# KiCad board reform2-motherboard.kicad_pcb (continued)
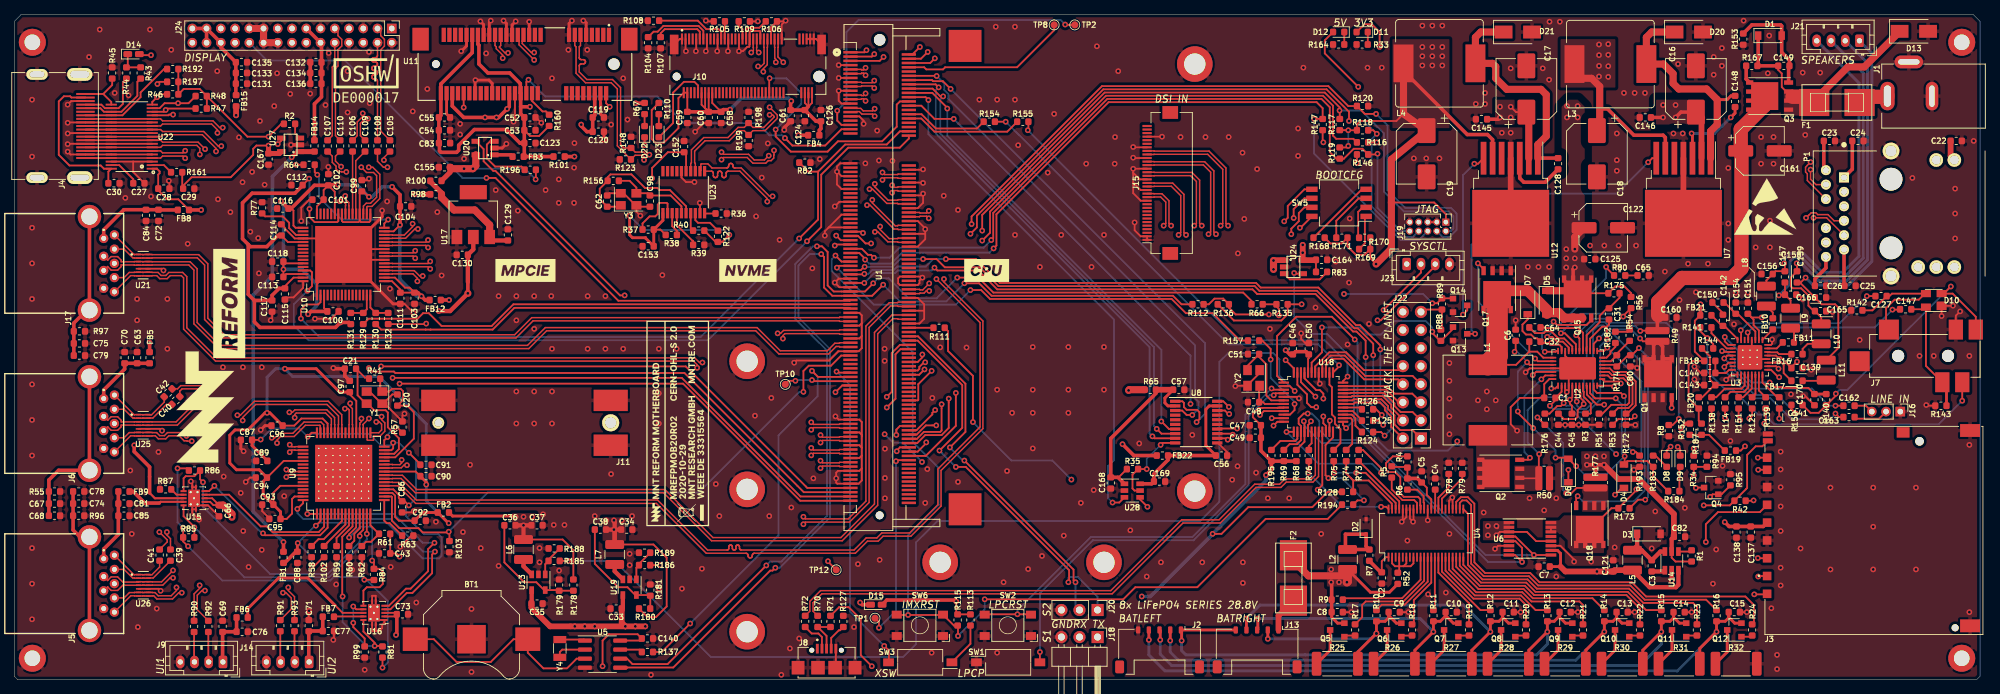
[diagram p0: board, top side]
## Routing (per net, layer and track width the routed paths; a pad name or vN(x,y) marks a point on that pad's centre or on a via; arc(x,y) is an arc through that point) (continued)
  Top w0.5: C138.1 240.76,21.54 v1(240.15,22.15) ; C56.1 v1(163.4,31.5) FB22.2 161.99,30.89 160.01,28.91 C169.1 159.69,27.53 U28.6 ; J3.4 245.56,21.54 241.75,21.54
  Power.Cu w0.25: v1(244.2,25.2) 244.35,25.05 244.35,22.15
  Power.Cu w0.5: v1(163.4,31.5) 160.7,28.8 160.7,20.6 165.45,15.85 165.45,12.45 174.45,3.45 242.2,3.45 249.7,10.95 249.7,16.8 244.35,22.15 v1(240.15,22.15)
Net-(C139-Pad1): length 36.5
  Top w0.25: U3.21 247.34,45.55 247.59,45.3 248.01,45.3 C139.1 249.51,43.91 v1(250.3,44.7) ; v1(243,32.8) 242.4,32.2 FB19.2 ; v1(245.35,50.9) 243.91,50.9 C151.1 244.2,50.61 244.2,49.83 244.95,49.08 U3.26
  Power.Cu w0.25: v1(243,32.8) 244.65,34.45 244.65,37.91 250.3,43.56 v1(250.3,44.7) 250.3,45.95 v1(245.35,50.9)
Net-(C141-Pad1): length 39.9
  Top w0.25: v1(255.75,40.2) 255.75,39.91 R140.2 253.34,37.5 252.19,37.5 C141.1 ; v1(271.9,55.25) 270.9,54.25 D10.2 272.15,54.25 275.4,51 J7.1 274.75,49.85
  Top w0.5: 275,49.6 J7.1
  Bottom w0.25: v1(255.75,40.2) 256.25,40.7 257.35,40.7 v1(271.9,55.25)
Net-(C141-Pad2): length 16.5
  Top w0.25: U3.4 240.5,45.55 v1(240.09,45.14) ; 249.51,38.5 249.51,38.04 v1(250.15,37.4)
  Bottom w0.25: v1(250.15,37.4) 247.55,40 244.4,40 241.1,43.3 241.1,44.13 v1(240.09,45.14)
Net-(C142-Pad1): length 5.2
  Top w0.25: U3.32 241.95,47.87 240.11,49.71 C142.1 239.77,49.71 FB21.2
Net-(C143-Pad1): length 14
  Top w0.25: FB20.2 236.99,39.69 238.71,41.4 239.04,41.4 ; R144.1 238.07,45.44 238.07,42.16 C143.1 242.1,41.4 242.45,41.75 U3.10
Net-(C144-Pad2): length 4.3
  Top w0.25: FB18.2 C144.2 240.32,43.1 240.77,43.55 U3.8
Net-(C147-Pad1): length 17.2
  Top w0.25: J7.3 268.4,44.1 D10.4 268.1,52.05 C147.1
  Top w0.4: J7.3 271.29,41.21 R143.1
Net-(C147-Pad2): length 23.8
  Top w0.25: v1(243.38,48.78) 243.45,48.71 U3.29 ; v1(263.7,52) 264.71,52 C147.2
  Bottom w0.25: v1(243.38,48.78) 244.09,49.5 261.2,49.5 v1(263.7,52)
Net-(C148-Pad1): length 32.2
  Top w0.4: C148.1 241.02,82.04 240.49,81.5 239.1,81.5
  Top w1: U7.1 238.16,77.06 239.1,78 239.1,81.5 237.6,83 233.7,83 232.9,83.8 232.9,85.15 231.55,86.5 L3.1 229.15,90.25 229.9,91 D20.1
Net-(C148-Pad2): length 11.7
  Top w0.4: v1(241,79) 241.6,79.6 C148.2 ; v1(235.5,76.75) 235.62,76.63 U7.3
  Bottom w0.4: v1(241,79) 238.75,76.75 v1(235.5,76.75)
Net-(C149-Pad1): length 31
  Top w0.25: Q3.3 248.79,82.63 248.16,83.27 248.16,85.18 247.66,85.67 C149.1
  Top w0.5: D1.1 244.85,86.36 R167.2 C149.1
  Top w1: F1.2 252.71,81.36 257.45,86.1 259.75,86.1 264.7,91.05 D13.1
  Top w2: 252.71,81.9 249.65,81.9
Net-(C149-Pad2): length 14.4
  Top w0.5: Q3.4 249.12,86.13 C149.2 249.24,87.06 248.15,88.15 D1.2 248.15,91.85 248,92 243.96,92 R153.2
Net-(C150-Pad1): length 7.3
  Top w0.25: U3.27 244.45,48.94 241.98,51.41 C154.1 240.11,53 C150.1
Net-(C152-Pad1): length 61.7
  Top w0.25: R37.1 90.71,63.25 R38.1 ; 94.04,74.1 C152.1 ; C152.1 91.76,74.11 89.55,71.9 v1(89.55,70.45) ; C152.1 94.32,73.84 U23.15 ; R40.1 98.47,61.51 R122.1 99.41,61.51 v1(100.4,62.5)
  Top w0.4: v1(86.4,65.2) 86.4,62.5 86.8,62.1 88.64,62.1 88.64,62.05 C153.1 R37.1 91.07,64.54 U23.1
  Top w0.5: R101.1 v1(78.65,73.5)
  Power.Cu w0.5: v1(78.65,73.5) 81,73.5 86.4,68.1 ; 86.4,68.1 v1(86.4,65.2) ; 86.4,68.1 87.2,68.1 v1(89.55,70.45)
  Bottom w0.25: v1(86.4,65.2) 88.4,63.2 99.7,63.2 v1(100.4,62.5)
Net-(C156-Pad1): length 51.3
  Top w0.25: v1(248.5,58.5) 248.6,58.4 C157.1 248.59,57.4 247.29,57.4 C156.1 246,56.11 L8.2
  Bottom w0.4: J21.4 259,83.84 259,59.5 256.75,57.25 253.85,57.25 251.2,59.9 249.33,59.9 248.5,59.07 v1(248.5,58.5)
Net-(C157-Pad2): length 55.3
  Top w0.25: C157.2 248.61,55.8 C158.1 ; C158.1 249.4,53.31 L9.2 ; C158.1 247.85,54.1 v1(247.75,54)
  Bottom w0.4: J21.3 259.6,85.24 259.6,59.25 257,56.65 253.6,56.65 250.95,59.3 249.87,59.3 249.3,58.73 249.3,55.55 v1(247.75,54)
Net-(C159-Pad1): length 55.7
  Top w0.25: v1(250.25,58.5) 250.3,58.45 C159.1 249.45,56.54 249.45,55.25 249.7,55 250.88,55 251.9,53.98 251.9,52.55 252.65,51.8 C165.1 253.7,50.91 L10.2
  Bottom w0.4: J21.2 260.2,86.64 260.2,59 257.25,56.05 253.35,56.05 250.9,58.5 v1(250.25,58.5)
Net-(C159-Pad2): length 60.2
  Top w0.25: L11.2 256.1,46.6 256.1,52.3 255.65,52.75 253.76,52.75 C166.1 250.7,55.81 C159.2 250.81,55.81 v1(251.5,56.5) ; 253.7,44.9 254.2,44.9
  Bottom w0.4: J21.1 260.8,88.04 260.8,58.75 257.5,55.45 252.55,55.45 v1(251.5,56.5)
Net-(C160-Pad1): length 120.8
  Top w0.25: R34.2 v1(235.8,32.5) ; C44.2 217.56,36.62 219.18,36.62 219.5,36.94 219.5,37.9 v1(220.35,38.75) 220.35,39.14 219.9,39.59 219.9,40.27 219.75,40.42 U2.7 ; v1(213.2,42.8) 213.65,43.25 U2.36 ; v1(228.3,49) 228.35,49.05 R49.1 ; Q3.5 245.76,82 243.86,80.09 Q3.8 ; Q3.5 245.12,81.37 Q3.7 ; Q3.5 245.76,82 243.86,83.91 Q3.5 ; Q3.5 245.12,82.63 Q3.6
  Top w0.5: Q3.5 243.16,84.4 R167.1 ; R49.1 230.7,51.1 230.8,51.2 231.1,50.9 C160.1
  Top w2: 230.8,51.2 230.8,53.1 234.15,56.45 241.15,56.45 242.5,57.8 242.5,74.2 C161.1 242.4,77.34 245.76,80.7 Q3.5
  Signal.Cu w0.25: v1(220.35,38.75) 221.35,39.75 223.4,39.75 224.55,38.6 228.8,38.6 229.8,37.6 229.8,34.25 232.7,31.35 234.65,31.35 v1(235.8,32.5)
  Bottom w0.25: v1(228.3,49) 227.6,49.7 223.84,49.7 223.27,50.28 222.07,50.28 220.77,48.98 220.77,43.37 ; 220.77,43.37 220.74,43.4 213.8,43.4 v1(213.2,42.8) ; 220.77,43.37 220.35,42.95 v1(220.35,38.75)
Net-(C162-Pad1): length 22.6
  Top w0.25: U3.3 239.9,46.05 v1(239.77,46.18) ; v1(255.7,38.5) C162.1
  Bottom w0.25: v1(255.7,38.5) 254.8,38.5 252.4,40.9 244.14,40.9 241.55,43.49 241.55,44.97 240.34,46.18 v1(239.77,46.18)
Net-(C162-Pad2): length 2.8
  Top w0.25: C162.2 259.98,38.5 J16.3
Net-(C163-Pad1): length 22
  Top w0.25: v1(255.7,37.4) 256.2,36.9 C163.1 ; U3.6 240.7,44.55 v1(240.1,43.95)
  Bottom w0.25: v1(240.1,43.95) 240.1,43.43 243.98,39.55 246.55,39.55 249.5,36.6 254.9,36.6 v1(255.7,37.4)
Net-(C163-Pad2): length 4.9
  Top w0.25: J16.2 261.8,36.67 258.61,36.67 C163.2
Net-(C168-Pad1): length 25.3
  Top w0.25: 154.96,28.44 155.05,28.44 R35.1
  Top w0.4: C57.1 161.55,39.59 161.55,38.9 161.97,38.47 U8.2
  Top w0.5: U28.1 154.96,28.44 C168.1 153.95,33.9 160.29,40.24 R65.1
  Top w0.8: R65.1 C57.1
Net-(C170-Pad1): length 21.1
  Top w0.25: v1(240.15,48.16) 240.15,47.55 240.65,47.05 U3.1 ; C170.1 251.89,41 248.45,41 248.33,41.12 247.1,41.12 v1(246.46,41.76)
  Top w0.4: 254.46,40.2 R140.1 C170.1
  Bottom w0.25: v1(240.15,48.16) 242,46.31 242,43.67 243.91,41.76 v1(246.46,41.76)
Net-(D2-Pad1): length 10.6
  Top w0.5: 189.8,18.74 R7.1 190.24,18.3 L2.2 186.9,18.6 186.9,20.45 D2.1 189.8,18.74
Net-(D8-Pad2): length 2.6
  Top w0.25: D8.2 230.43,31.49 R183.2
Net-(D9-Pad2): length 3.5
  Top w0.25: D9.2 233.79,29.8 R184.2
Net-(D11-Pad1): length 1.8
  Top w0.25: D11.1 R33.2
Net-(D12-Pad1): length 1.8
  Top w0.25: R164.2 D12.1
Net-(D14-Pad1): length 3.9
  Top w0.25: D14.1 15.94,86.22 R44.1 R43.1
Net-(D15-Pad1): length 131.1
  Top w0.25: R84.2 50.46,14.05 v1(49.15,14.05) ; R86.2 24.21,29.7 v1(22.92,29.7) ; R81.2 v1(51.7,1.7) ; v1(23.67,21.38) 23.71,21.34 R85.2 23.71,19.44 v1(24.4,18.75)
  Top w0.5: D15.1 119.05,10.55 v1(118.75,10.85) ; R85.2 23.71,19.89
  Power.Cu w0.5: v1(51.7,1.7) 53.3,3.3 95.05,3.3 98.1,6.35 98.1,8.3 100.65,10.85 v1(118.75,10.85)
  Bottom w0.25: v1(51.7,1.7) 52.45,2.45 52.45,11.05 49.45,14.05 v1(49.15,14.05) 48.75,14.45 44.87,14.45 44.37,13.95 29.2,13.95 v1(24.4,18.75) ; v1(22.92,29.7) 22.92,22.12 v1(23.67,21.38)
Net-(D22-Pad1): length 30.7
  Top w0.25: v1(88.5,75.1) D22.1 ; U11.44 v1(63.1,80.4)
  Signal.Cu w0.25: v1(63.1,80.4) 66.89,76.61 86.99,76.61 v1(88.5,75.1)
Net-(D22-Pad2): length 1.7
  Top w0.25: R67.2 D22.2
Net-(D23-Pad1): length 12.5
  Top w0.25: D23.1 92.5,78.21 92.5,82.49 94.01,84 95.5,84 96,83.5 J10.10
Net-(D23-Pad2): length 1.7
  Top w0.25: R110.2 D23.2
Net-(FB3-Pad1): length 2.7
  Top w0.5: FB3.1 69.71,73.75 U20.1
Net-(FB10-Pad1): length 2.1
  Top w0.25: FB10.1 245.45,47.76 U3.25
Net-(FB10-Pad2): length 2.1
  Top w0.25: L8.1 246.9,51.6 FB10.2
Net-(FB11-Pad1): length 2.5
  Top w0.25: FB11.1 247.45,46.55 U3.23
Net-(FB11-Pad2): length 2.2
  Top w0.25: FB11.2 249.88,48.92 L9.1
Net-(FB16-Pad1): length 3.5
  Top w0.25: U3.22 246.19,46 247.53,46 247.78,45.75 FB16.1
Net-(FB16-Pad2): length 3.6
  Top w0.25: L10.1 251.8,47.2 251.09,46.49 FB16.2
Net-(FB17-Pad1): length 5.2
  Top w0.25: FB17.1 248.43,43.09 248.43,44.25 248.05,44.63 247.35,44.63 247.28,44.55 U3.19
Net-(FB17-Pad2): length 2.7
  Top w0.25: FB17.2 253.6,42 253.7,42.1
Net-(FB19-Pad1): length 5.8
  Top w0.25: FB19.1 237.95,34.41 R187.2 R152.2
Net-(J3-Pad1): length 86.1
  Top w0.25: J3.1 244.93,14.58 v1(244.85,14.5) ; U8.13 170.94,34.58 v1(171.08,34.43)
  Signal.Cu w0.25: v1(244.85,14.5) 244.85,15.49 239.49,20.85 212.3,20.85 202.75,30.4 175.11,30.4 v1(171.08,34.43)
Net-(J3-Pad2): length 84.8
  Top w0.25: J3.2 244.82,17.08 v1(244.8,17.1) ; 168.9,35.22 168.97,35.3 v1(171.7,35.3)
  Signal.Cu w0.25: v1(244.8,17.1) 240.6,21.3 212.49,21.3 202.94,30.85 176.15,30.85 v1(171.7,35.3)
Net-(J3-Pad5): length 98.2
  Top w0.25: v1(237.5,19.35) 237.5,21.85 239.2,23.55 245.07,23.55 J3.5 ; v1(159.1,24.3) 158.07,25.33 U28.4
  Signal.Cu w0.25: v1(159.1,24.3) 160.4,23 172,23 176.6,27.6 203.5,27.6 211.75,19.35 v1(237.5,19.35)
Net-(J3-Pad7): length 87.4
  Top w0.25: U8.18 169.98,37.83 170.46,37.34 v1(170.59,37.34) ; J3.7 v1(244.85,29.5)
  Signal.Cu w0.25: v1(244.85,29.5) 244.85,28.93 237.67,21.75 212.68,21.75 203.13,31.3 176.78,31.3 170.74,37.34 v1(170.59,37.34)
Net-(J3-Pad8): length 88.6
  Top w0.25: v1(170.54,38.34) 169.75,39.12 U8.20 ; J3.8 v1(244.8,31.2)
  Signal.Cu w0.25: v1(244.8,31.2) 244,30.4 244,29.2 237,22.2 212.86,22.2 203.31,31.75 177.32,31.75 170.74,38.34 v1(170.54,38.34)
Net-(J3-Pad9): length 88.3
  Top w0.25: v1(244.3,12) 246.02,12 J3.9 ; v1(170.37,33.73) 170.18,33.92 U8.12
  Signal.Cu w0.25: v1(244.3,12) 243.9,12.4 243.9,15.8 239.3,20.4 212.12,20.4 202.57,29.95 174.15,29.95 v1(170.37,33.73)
Net-(J4-Pad13): length 14.5
  Top w0.25: R192.2 21.02,85.8 17.74,82.51 17.74,81.85 15.19,79.3 U22.23 J4.13
Net-(J4-Pad15): length 11
  Top w0.25: J4.15 12.09,80.3 12.59,79.8 U22.22 15.05,79.8 17.29,82.04 17.29,84 R43.2
Net-(J4-Pad16): length 9.5
  Top w0.25: R44.2 15.25,83.96 15.25,80.9 14.65,80.3 U22.21 12.73,80.3 12.23,80.8 J4.16
Net-(J4-Pad19): length 7.1
  Top w0.25: R45.1 13.75,83.55 12.5,82.3 ; 12.5,82.3 J4.19 ; 12.5,82.3 13.62,81.18 U22.20
Net-(J7-Pad6): length 51.2
  Top w0.25: R141.1 236.71,48.99 v1(237.7,48) 238.54,47.16 R144.2 ; v1(273.5,39.2) J7.6
  Bottom w0.25: v1(273.5,39.2) 270.2,35.9 247.07,35.9 245.72,37.25 244.83,37.25 241.33,40.75 240.25,40.75 237.7,43.3 v1(237.7,48)
Net-(J8-Pad2): length 4.8
  Top w0.25: R72.1 111.96,6.5 112.9,6.5 113.4,6 113.4,4.18
Net-(J8-Pad3): length 5.6
  Top w0.25: R71.2 R70.1 114.05,6.16 114.05,4.18
Net-(J8-Pad4): length 4
  Top w0.25: R127.2 115.94,6.95 115.78,6.95 114.7,5.87 114.7,4.18
Net-(J9-Pad2): length 4.2
  Top w0.25: R92.2 27.25,2.55 J9.2
Net-(J9-Pad3): length 4.2
  Top w0.25: J9.3 25.25,2.55 R90.2
Net-(J10-Pad11): length 7.4
  Top w0.25: J10.11 96.25,91.05 95.9,91.4 91.32,91.4 90.75,90.83 R107.1
Net-(J10-Pad13): length 9.8
  Top w0.25: J10.13 96.75,91.19 96.09,91.85 91.14,91.85 90.34,91.05 89.76,91.05 R104.1
Net-(J10-Pad23): length 10.4
  Top w0.25: R108.1 95.97,92.6 97.17,91.4 98.89,91.4 99.23,91.06 99.24,91.06 99.25,91.05 J10.23
Net-(J10-Pad25): length 2.5
  Top w0.25: J10.25 99.75,92.46 R105.1
Net-(J10-Pad35): length 2.7
  Top w0.25: J10.35 102.25,91.39 101.71,91.92 R109.1
Net-(J10-Pad37): length 4.6
  Top w0.25: R106.1 104.61,91.6 103,91.6 102.73,91.33 102.73,90.05 J10.37
Net-(J14-Pad2): length 4.3
  Top w0.25: R93.2 39.35,2.55 J14.2
Net-(J14-Pad3): length 4.3
  Top w0.25: J14.3 37.35,2.55 R91.2
Net-(L6-Pad1): length 2.6
  Top w0.6: U13.3 71.5,15.95 L6.1
Net-(L7-Pad1): length 2.6
  Top w0.6: U19.3 84.3,15.25 L7.1
Net-(P1-Pad13): length 81.7
  Top w0.25: R116.1 v1(191.3,75.5)
  Signal.Cu w0.25: P1.13 266.42,76.45 262.57,76.45 261.63,75.5 v1(191.3,75.5) 191.4,75.4
Net-(P1-Pad15): length 90.7
  Top w0.25: R146.1 188.51,72.61 v1(188.5,72.6)
  Signal.Cu w0.25: P1.15 267.31,62.99 255.65,74.65 194.25,74.65 192.2,72.6 v1(188.5,72.6)
Net-(P1-Pad17): length 106.2
  Top w0.25: R147.1 183.7,75.6 v1(183.8,75.5)
  Signal.Cu w0.25: 192.17,71.87 185.53,71.87 183.8,73.6 v1(183.8,75.5) ; P1.17 270.63,56.22 266.43,56.22 265.75,56.9 265.75,63.91 255.46,74.2 194.5,74.2 192.2,71.9
Net-(Q1-Pad4): length 22.3
  Top w0.25: U2.1 216.36,40.93 v1(215.8,40.93)
  Top w0.5: v1(232.7,38.2) 232.7,38.2 Q1.4
  Signal.Cu w0.25: v1(232.7,38.2) 227.9,43 225.23,43 223.75,41.53 216.4,41.53 v1(215.8,40.93)
Net-(Q1-Pad5): length 36.6
  Top w0.25: v1(219.37,39.09) 219.25,39.22 U2.6 ; 230.54,47.39 R49.2 228.66,47.55 v1(228.26,47.95)
  Top w0.5: Q1.8 Q1.7 ; Q1.7 230.17,47.02 R49.2 231.44,46.81 Q1.6 Q1.5 ; Q1.7 230.17,43.62 Q1.5
  Bottom w0.25: v1(228.26,47.95) 226.98,49.23 223.68,49.23 223.15,49.76 222.39,49.76 221.65,49.02 221.65,38.97 220.7,38.02 219.88,38.02 219.37,38.53 v1(219.37,39.09)
Net-(Q2-Pad4): length 15.8
  Top w0.25: Q2.4 212.52,30.91 v1(212.81,31.19) ; U2.37 214.95,42.75 v1(214.41,42.21)
  Bottom w0.25: v1(212.81,31.19) 212.02,31.97 212.02,39.82 v1(214.41,42.21)
Net-(Q4-Pad3): length 18.8
  Top w0.25: R53.1 225.21,36.62 227.12,36.62 v1(227.52,37.02) ; v1(236.1,26.95) 236.15,27 Q4.3
  Signal.Cu w0.25: v1(227.52,37.02) 228.35,36.2 228.35,34.02 235.42,26.95 v1(236.1,26.95)
Net-(Q5-Pad1): length 1.6
  Top w0.25: Q5.1 186.91,6.21 R17.1
Net-(Q5-Pad3): length 5.5
  Top w0.4: R25.2 184.75,4.15 Q5.3
Net-(Q6-Pad1): length 1.6
  Top w0.25: Q6.1 194.91,6.21 R18.1
Net-(Q6-Pad3): length 5.5
  Top w0.4: R26.2 192.75,4.15 Q6.3
Net-(Q7-Pad1): length 1.6
  Top w0.25: R19.1 202.91,6.21 Q7.1
Net-(Q7-Pad3): length 5.5
  Top w0.4: Q7.3 200.75,4.15 R27.2
Net-(Q8-Pad1): length 1.6
  Top w0.25: Q8.1 210.91,6.21 R20.1
Net-(Q8-Pad3): length 5.5
  Top w0.4: Q8.3 208.75,4.15 R28.2
Net-(Q9-Pad1): length 1.6
  Top w0.25: Q9.1 218.91,6.21 R21.1
Net-(Q9-Pad3): length 5.5
  Top w0.4: Q9.3 216.75,4.15 R29.2
Net-(Q10-Pad1): length 1.6
  Top w0.25: Q10.1 226.91,6.21 R22.1
Net-(Q10-Pad3): length 5.5
  Top w0.4: Q10.3 224.75,4.15 R30.2
Net-(Q11-Pad1): length 1.6
  Top w0.25: Q11.1 234.91,6.21 R23.1
Net-(Q11-Pad3): length 5.5
  Top w0.4: R31.2 232.75,4.15 Q11.3
Net-(Q12-Pad1): length 1.6
  Top w0.25: R24.1 243.84,6.05 Q12.1
Net-(Q12-Pad3): length 5.4
  Top w0.4: R32.2 240.5,3.9 Q12.3
Net-(Q13-Pad3): length 44.8
  Top w0.25: U7.7 229.98,73.28 v1(229.4,72.7) ; Q13.3 v1(205.1,48.6)
  Bottom w0.25: v1(205.1,48.6) 204.6,49.1 204.6,61.1 211.8,68.3 225,68.3 v1(229.4,72.7)
Net-(Q14-Pad3): length 25
  Top w0.25: v1(205,72.5) 205.51,72.5 U12.7 ; Q14.3 204,51.9 v1(203.4,51.3)
  Bottom w0.25: v1(205,72.5) 203.4,70.9 v1(203.4,51.3)
Net-(Q15-Pad4): length 13.1
  Top w0.25: v1(214.88,46.08) 216.42,46.08 216.52,46.19 U2.31 ; v1(216.12,50.32) 216.59,49.85 220.76,49.85 221.4,50.5 Q15.4
  Bottom w0.25: v1(214.88,46.08) 214.48,46.48 214.48,48.68 v1(216.12,50.32)
Net-(Q17-Pad4): length 20.8
  Top w0.25: U2.33 213.9,44.75 v1(213.53,45.13) ; Q17.4 206.29,57.71 v1(205.5,58.5)
  Bottom w0.25: v1(205.5,58.5) 205.5,53.15 v1(213.53,45.13)
Net-(Q18-Pad1): length 18.2
  Top w0.25: R177.2 219.35,26.95 218.6,26.2 v1(217.9,26.2) ; R176.1 v1(213.86,36.86)
  Bottom w0.25: v1(213.86,36.86) 217.47,33.24 217.47,26.63 v1(217.9,26.2)
Net-(Q18-Pad4): length 40
  Top w0.25: U2.21 221.75,47.2 v1(222.5,47.95) ; Q18.4 219.3,25.59 v1(219.5,25.8)
  Bottom w0.25: v1(219.5,25.8) 220.23,25.07 227.4,25.07 228.9,26.58 228.9,44.18 224.38,48.7 223.25,48.7 v1(222.5,47.95)
Net-(Q18-Pad5): length 33.9
  Top w0.25: U2.20 223.19,46.19 v1(223.67,46.67) ; 221.72,21.11 Q18.5 221.25,21.11 224.24,24.1 R173.2 227.75,26.64 v1(227.75,26.75) ; U6.15 215.75,20.78
  Bottom w0.25: v1(223.67,46.67) 228.45,41.89 228.45,27.45 v1(227.75,26.75)
Net-(R1-Pad1): length 1.9
  Top w0.25: U14.4 235.32,18.01 R1.1
Net-(R2-Pad1): length 2.3
  Top w0.25: U27.3 39.44,76.76 R2.1
Net-(R3-Pad2): length 5.5
  Top w0.25: U2.8 220.25,40.55 220.35,40.45 220.35,39.78 221.35,38.78 221.35,37.45 221.29,37.39 220.2,37.39
Net-(R4-Pad2): length 13.6
  Top w0.25: R4.2 193.56,31.39 192.6,30.43 192.6,29.49 192.92,29.18 193.88,29.18 194.6,28.46 194.6,26.18 195.08,25.7 197.1,25.7 197.4,25.4 197.4,24.5 197.45,24.45 U4.35
Net-(R5-Pad2): length 6.9
  Top w0.25: R5.2 193.4,26.75 194.9,25.25 196.55,25.25 196.95,24.85 U4.36
Net-(R6-Pad2): length 4.5
  Top w0.25: R6.2 196.99,26.71 197.87,25.83 197.87,24.93 197.95,24.85 U4.34
Net-(R8-Pad2): length 32.2
  Top w0.25: v1(233.7,36.65) 232.84,35.79 R8.2 ; U2.25 219.75,47.95 v1(219.3,48.4)
  Bottom w0.25: v1(233.7,36.65) 233.7,48.4 231.95,50.15 224.03,50.15 223.45,50.73 221.63,50.73 v1(219.3,48.4)
Net-(R9-Pad2): length 15.2
  Top w0.25: R9.2 186.74,11.45 194.85,11.45 197.45,14.05 U4.10
Net-(R10-Pad2): length 12.3
  Top w0.25: R10.2 192.01,10.55 195.22,10.55 198.45,13.78 U4.12
Net-(R11-Pad2): length 7.5
  Top w0.25: R11.2 199.45,9.99 U4.14
Net-(R12-Pad2): length 11.1
  Top w0.25: U4.16 200.45,15.19 205.85,9.79 R12.2
Net-(R13-Pad2): length 17.9
  Top w0.25: R13.2 213.6,9.79 211.54,11.85 205.06,11.85 201.45,15.46 U4.18
Net-(R14-Pad2): length 24.7
  Top w0.25: R14.2 221.59,11.45 213.21,11.45 211.91,12.75 205.57,12.75 202.45,15.87 U4.20
Net-(R15-Pad2): length 31.5
  Top w0.25: R15.2 229.1,9.79 226.54,12.35 213.58,12.35 212.28,13.65 205.94,13.65 203.45,16.14 U4.22
Net-(R16-Pad2): length 48.3
  Top w0.25: R16.2 237.54,11.25 228.91,11.25 226.91,13.25 213.95,13.25 212.65,14.55 206.31,14.55 204.55,16.31 204.55,24.55 203.9,25.2 203.3,25.2 202.95,24.85 U4.24
Net-(R17-Pad2): length 16.6
  Top w0.25: U4.11 197.95,13.91 195.04,11 189.75,11 189.25,10.5 189.25,8.79 R17.2
Net-(R18-Pad2): length 10.6
  Top w0.25: U4.13 198.95,13.64 196.5,11.19 196.5,8.04 R18.2
Net-(R19-Pad2): length 11.2
  Top w0.25: U4.15 199.95,15.05 204.25,10.75 R19.2
Net-(R20-Pad2): length 17.9
  Top w0.25: U4.17 200.95,15.32 204.87,11.4 211.35,11.4 212.25,10.5 R20.2
Net-(R21-Pad2): length 24.8
  Top w0.25: U4.19 201.95,15.6 205.25,12.3 211.72,12.3 213.02,11 219.75,11 220.25,10.5 R21.2
Net-(R22-Pad2): length 31.2
  Top w0.25: R22.2 228.25,10 226.35,11.9 213.4,11.9 212.1,13.2 205.75,13.2 202.95,16 U4.21
Net-(R23-Pad2): length 45.2
  Top w0.25: R23.2 236.25,10.25 235.7,10.8 228.72,10.8 226.72,12.8 213.77,12.8 212.47,14.1 206.13,14.1 204.1,16.13 204.1,23.33 U4.23 203.49,23.94
Net-(R24-Pad2): length 57
  Top w0.25: R24.2 244.25,8.04 244.25,10.5 243.05,11.7 229.1,11.7 227.1,13.7 214.14,13.7 212.84,15 206.5,15 205,16.5 205,24.74 204.09,25.65 203.11,25.65 202.45,24.99 U4.25
Net-(R34-Pad1): length 25.8
  Top w0.25: U2.9 220.8,41.26 220.8,40.06 222.21,38.65 v1(223.22,38.65) ; R94.2 R34.1 v1(235.8,28.7)
  Signal.Cu w0.25: v1(235.8,28.7) 234.3,28.7 228.8,34.2 228.8,37.2 228.1,37.9 223.97,37.9 v1(223.22,38.65)
Net-(R35-Pad2): length 11.8
  Top w0.25: U28.5 157.29,26.58 157,26.87 157,28.81 R35.2 v1(159,29.6) ; v1(160.95,33) 161.22,33.28 U8.10
  Bottom w0.25: v1(159,29.6) 159,31.05 v1(160.95,33)
Net-(R36-Pad2): length 1.6
  Top w0.25: U23.10 96.97,65.5 R36.2
Net-(R37-Pad2): length 7.7
  Top w0.25: R37.2 88.21,64.11 89.2,65.1 90,65.1 90.35,65.45 90.35,66.75 90.6,67 91.6,67 91.72,66.88 U23.2
Net-(R38-Pad2): length 3.3
  Top w0.25: U23.3 92.38,63.74 93.04,63.08 R38.2
Net-(R39-Pad2): length 5.4
  Top w0.25: R39.2 95.31,61.67 95.22,61.67 93.03,63.88 U23.4
Net-(R40-Pad2): length 2.6
  Top w0.25: R40.2 94.97,63.44 U23.7
Net-(R51-Pad2): length 11.8
  Top w0.25: U2.14 223.75,42.75 224.15,42.35 225.94,42.35 226.75,41.54 226.75,38.93 226.45,38.62 224.22,38.62 222.99,37.39 R51.2
Net-(R52-Pad1): length 8.8
  Top w0.25: U4.6 195.45,16.35 195.05,15.95 ; U4.2 193.45,16.35 193.85,15.95 194.45,15.95 ; U4.8 196.45,16.35 196.05,15.95 195.05,15.95 ; 194.45,15.95 194.45,15.24 R52.1 ; 194.45,15.95 U4.4 ; 194.45,15.95 195.05,15.95
Net-(R53-Pad2): length 11.2
  Top w0.25: U2.15 223.88,43.25 224.33,42.8 226.13,42.8 227.2,41.73 227.2,38.74 226.63,38.17 225.19,38.17 R53.2
Net-(R57-Pad1): length 4.7
  Top w0.25: U9.32 51.95,33.65 v1(52.4,34.1) ; R57.1 53.71,35.5 v1(53.5,35.5)
  Bottom w0.25: v1(53.5,35.5) 52.4,34.4 v1(52.4,34.1)
Net-(R58-Pad1): length 6.9
  Top w0.25: U9.8 46,22.3 43.45,19.75 42.71,19.75 R58.1 41.75,19.03
Net-(R59-Pad1): length 5.2
  Top w0.25: R59.1 45.25,19.93 47,21.68 U9.10
Net-(R60-Pad1): length 5.1
  Top w0.25: U9.13 48.5,21.27 47.74,20.52 47.74,19.53 R60.1
Net-(R61-Pad1): length 6.4
  Top w0.25: R62.1 49.4,19.39 50.1,19.39 R61.1 50,21.71 U9.16
Net-(R63-Pad1): length 6.3
  Top w0.25: U9.17 51.95,22.35 52.3,22 52.71,22 R63.1
Net-(R64-Pad2): length 17.2
  Top w0.25: v1(52.5,64.65) 51.95,64.1 U10.32 ; v1(42.55,70.95) 42.19,71.31 R64.2
  Bottom w0.25: v1(42.55,70.95) 42.8,70.7 42.8,67.8 45.95,64.65 v1(52.5,64.65)
Net-(R77-Pad2): length 7.4
  Top w0.25: U10.51 39.55,62.5 38.6,63.45 38.6,64.2 37.7,65.1 35.21,65.1 R77.2
Net-(R78-Pad1): length 5.5
  Top w0.25: U4.30 199.95,25.59 201.4,27.04 R78.1
Net-(R79-Pad1): length 6.1
  Top w0.25: R79.1 203.3,28.3 200.45,25.45 U4.29
Net-(R80-Pad2): length 19
  Top w0.25: v1(215.23,48.17) 215.95,48.17 216.61,47.5 217.42,47.5 218.25,46.67 U2.28 ; R80.2 223.5,57.91 v1(223.5,58)
  Bottom w0.25: v1(223.5,58) 223.5,56.44 v1(215.23,48.17)
Net-(R83-Pad1): length 6.8
  Top w0.25: R83.1 183.29,56.25 179.1,56.25 U24.3
Net-(R87-Pad1): length 2
  Top w0.25: R87.1 22.79,26 U15.7
Net-(R99-Pad1): length 7.9
  Top w0.25: R99.1 49.2,5.8 47.6,7.4 v1(47.6,8) ; v1(47.6,10.3) 48,9.9 U16.7
  Bottom w0.25: v1(47.6,8) v1(47.6,10.3)
Net-(R102-Pad2): length 5.8
  Top w0.25: R102.2 43.96,19.25 43.96,19.28 46.5,21.82 U9.9
Net-(R111-Pad2): length 3.5
  Top w0.25: R111.2 U1.118 125.65,49.4
Net-(R112-Pad2): length 94.1
  Top w0.25: v1(247.7,43.7) 247.35,44.05 U3.18 ; R112.2 167.72,52.75 168.52,53.55 169.74,53.55 R136.2 170.54,52.28 171.49,51.32 v1(176.15,51.32) ; 170.75,52.41 170.5,52.66
  Signal.Cu w0.25: v1(176.15,51.32) 177.02,50.45 185.41,50.45 191.46,56.5 229.82,56.5 230.22,56.1 238,56.1 244.1,50 244.1,48.8 247.7,45.2 v1(247.7,43.7)
Net-(R113-Pad1): length 6.2
  Top w0.25: SW3.1 134.25,5.05 R113.1
Net-(R114-Pad2): length 5.6
  Top w0.25: R114.2 240.96,40.45 242.85,40.45 243.45,41.05 U3.12
Net-(R121-Pad2): length 3.4
  Top w0.25: U3.14 244.46,42.85 244.46,40.15 R121.2
Net-(R122-Pad2): length 4.8
  Top w0.25: U23.8 95.62,64.58 96,64.2 97.69,64.2 R122.2
Net-(R129-Pad1): length 4.5
  Top w0.25: U10.15 49.5,52.04 R129.1 R131.1
Net-(R130-Pad1): length 4.6
  Top w0.25: R132.1 R130.1 50,52.29 U10.16
Net-(R135-Pad2): length 87.7
  Top w0.25: R66.2 R135.2 ; 177,52.66 177.55,52.11 v1(177.55,51.2) ; U3.17 246.65,43.55 247.7,42.5 v1(247.8,42.5)
  Signal.Cu w0.25: v1(177.55,51.2) 177.85,50.9 185.23,50.9 191.28,56.95 230,56.95 230.4,56.55 238.19,56.55 244.55,50.19 244.55,48.99 248.43,45.11 248.43,43.12 v1(247.8,42.5)
Net-(R137-Pad2): length 3.2
  Top w0.25: R137.2 87.78,4.24 85.08,4.24
Net-(R138-Pad1): length 6.9
  Top w0.25: U3.11 242.95,41.35 242.5,40.9 240.17,40.9 238.96,39.69 R138.1
Net-(R139-Pad2): length 3.6
  Top w0.25: R139.2 244.95,40.64 U3.15
Net-(R141-Pad2): length 4.7
  Top w0.25: R141.2 238.29,48.69 240.43,46.55 U3.2
Net-(R150-Pad2): length 4.3
  Top w0.25: R150.2 247.51,39.69 245.45,41.75 U3.16
Net-(R151-Pad2): length 4.3
  Top w0.25: R151.2 242.72,39.69 243.95,40.91 U3.13
Net-(R154-Pad2): length 11.7
  Top w0.25: U1.30 127.39,79.45 129.39,77.45 135.16,77.45 R154.2
Net-(R155-Pad1): length 16.6
  Top w0.25: R155.1 139.41,77 129.2,77 127.35,78.85 U1.32
Net-(R160-Pad2): length 4.3
  Top w0.25: R160.2 74.64,79.85 74.17,79.85 72.7,81.31 U11.20
Net-(R161-Pad2): length 3
  Top w0.25: U22.2 21.01,72.3 R161.2
Net-(R168-Pad2): length 10.2
  Top w0.25: R168.2 189.22,68.91 SW5.4
Net-(R169-Pad1): length 5
  Top w0.25: R169.1 189.62,61.31 189.62,64.91 SW5.1
Net-(R170-Pad1): length 5.1
  Top w0.25: R170.1 188.68,62.23 188.68,65.74 189.31,66.36 SW5.2
Net-(R171-Pad1): length 7.9
  Top w0.25: R171.1 185.61,64.49 188.76,67.64 SW5.3
Net-(R172-Pad1): length 10.7
  Top w0.25: U2.16 224.02,43.75 224.52,43.25 226.31,43.25 227.65,41.91 227.65,38.55 226.48,37.39 R172.1
Net-(R174-Pad1): length 5.2
  Top w0.25: R54.1 225,45.81 R174.1 224.16,44.75 U2.18
Net-(R182-Pad1): length 3.5
  Top w0.25: R182.1 224.8,46.78 224.1,46.08 224.1,45.8 223.55,45.25 U2.19 223.24,45.25
Net-(R182-Pad2): length 20.6
  Top w0.25: v1(225.9,51.03) 225.9,51.11 R56.2 226.8,52.01 R54.2 226.5,48.89 R182.2 ; U2.26 219.25,47.14 217.71,48.68 v1(217.15,48.68)
  Bottom w0.25: v1(217.15,48.68) 219.89,51.43 225.5,51.43 v1(225.9,51.03)
Net-(R185-Pad2): length 4.5
  Top w0.25: U13.1 74.55,16.24 R185.2 75.01,16.88 R188.1
Net-(R186-Pad2): length 4.6
  Top w0.25: R189.1 87.71,16.28 R186.2 87.35,15.74 U19.1
Net-(R193-Pad2): length 15.1
  Top w0.25: v1(226,39.85) 225.55,40.3 222.23,40.3 221.75,40.78 U2.11 ; v1(227.25,32) 227.69,32 R193.2 227.89,31.8
  Bottom w0.25: v1(227.25,32) 226.17,33.08 226.17,39.68 v1(226,39.85)
Net-(R196-Pad1): length 9.1
  Top w0.25: R196.1 71.21,72.1 67.51,72.1 66.35,73.26 66.35,75.19 66.81,75.65 U20.3
Net-(SW3-Pad2): length 46.3
  Top w0.25: 123,2.6 123.15,2.45 123.35,2.45 123.4,2.5 ; 122.8,2.5 122.8,4.1 v1(122.15,4.75) ; v1(115.45,43.3) 115.6,43.15 U1.139
  Bottom w0.25: v1(115.45,43.3) 117.35,41.4 117.35,9.55 v1(122.15,4.75)
